# Altium PCB Home Automation.PcbDoc (continued)
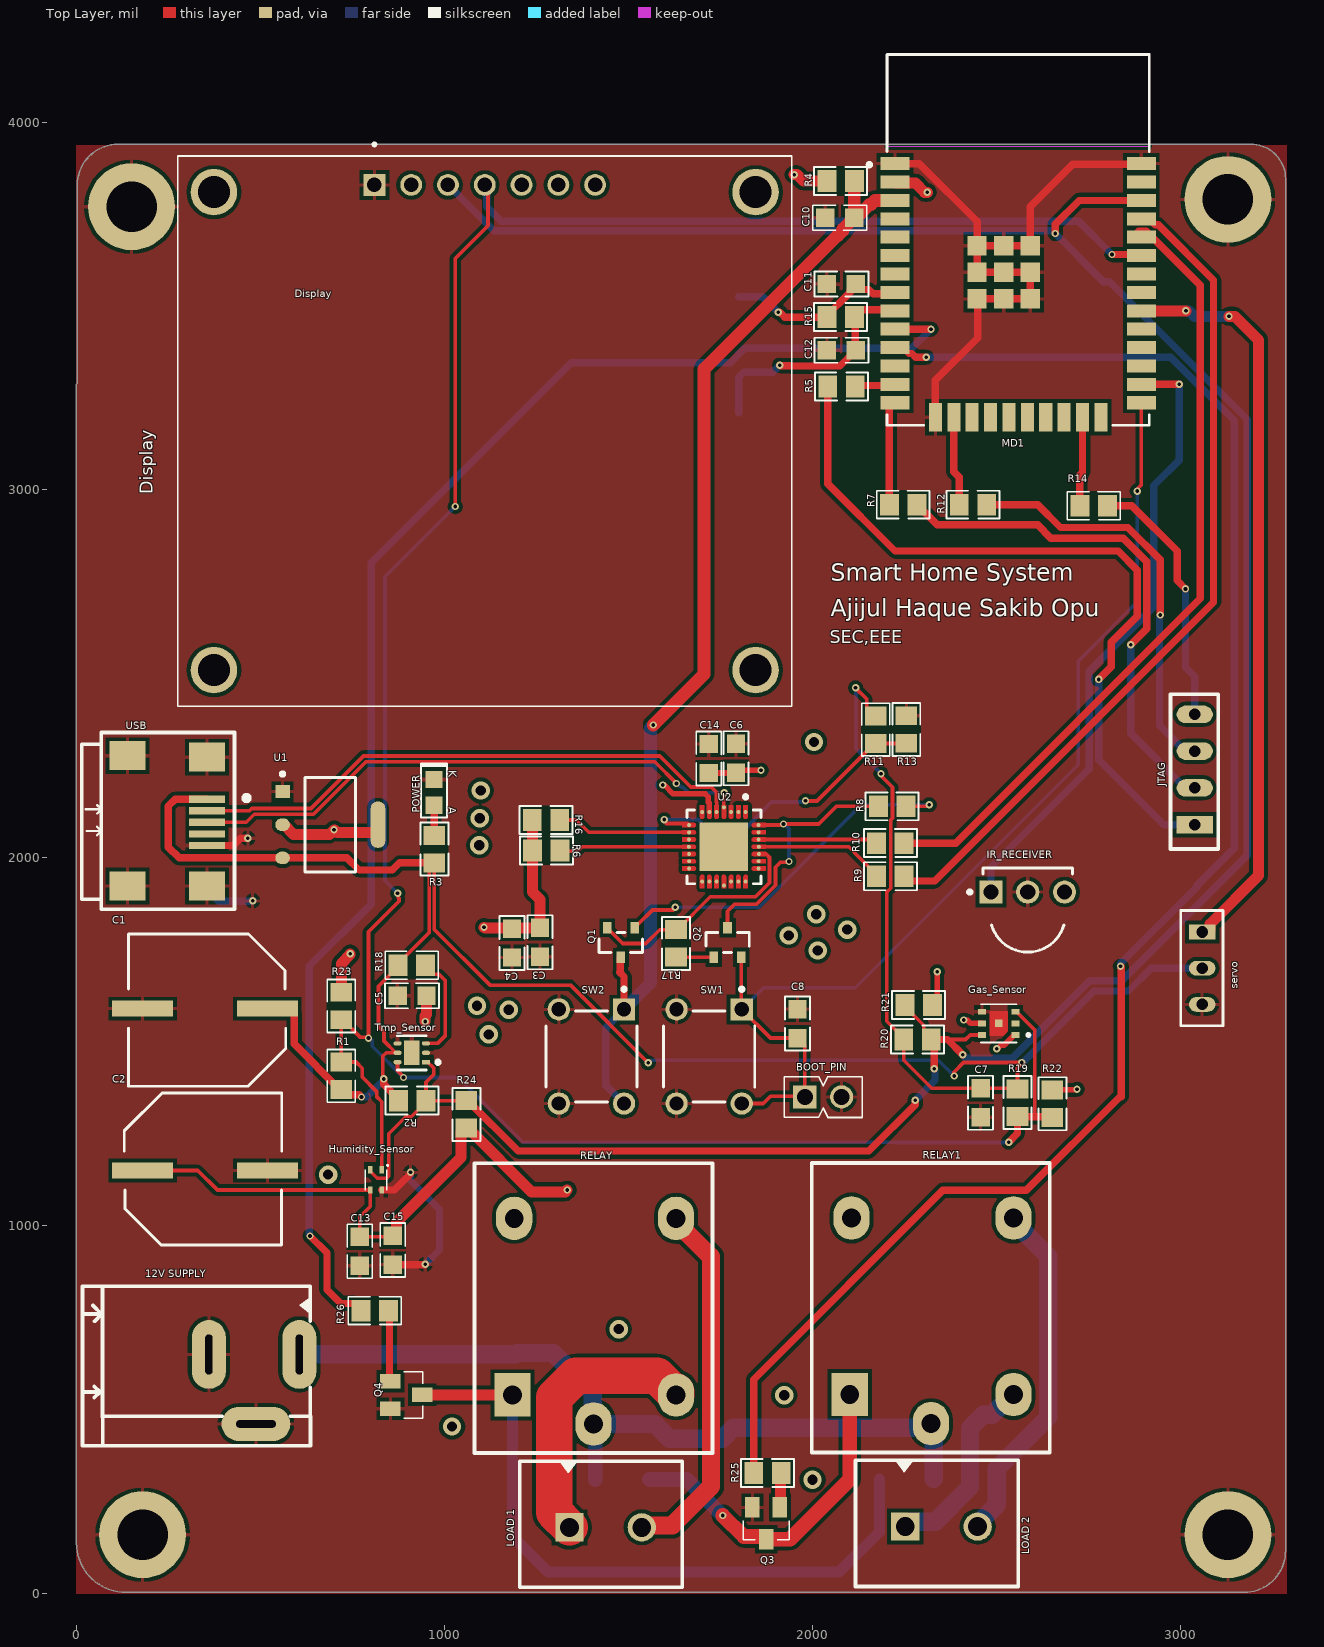
[diagram p0: Top Layer view]
## Footprints (in the part's own frame and the unit in brackets; to place one, negate y for a bottom-side part, rotate by r counter-clockwise, add the part's x,y. Pads: shape width x height; smd on the part's side, far side on the other; paste and mask are expansions set on the pad) (continued)
  Top Layer region: 0.15,2.875 0.15,2.075 0.139,2.018 0.106,1.969 0.057,1.936 0,1.925 0,1.925 -0.057,1.936 -0.106,1.969 -0.139,2.018 -0.15,2.075 -0.15,2.075 -0.15,2.875
  Top Layer region: 0.65,2.875 0.65,2.075 0.639,2.018 0.606,1.969 0.557,1.936 0.5,1.925 0.5,1.925 0.443,1.936 0.394,1.969 0.361,2.018 0.35,2.075 0.35,2.075 0.35,2.875
  Top Layer region: 1.15,2.875 1.15,2.075 1.139,2.018 1.106,1.969 1.057,1.936 1,1.925 1,1.925 0.943,1.936 0.894,1.969 0.861,2.018 0.85,2.075 0.85,2.075 0.85,2.875
  Top Layer region: 1.65,2.875 1.65,2.075 1.639,2.018 1.606,1.969 1.557,1.936 1.5,1.925 1.5,1.925 1.443,1.936 1.394,1.969 1.361,2.018 1.35,2.075 1.35,2.075 1.35,2.875
  Top Layer region: 2.875,1.35 2.075,1.35 2.018,1.361 1.969,1.394 1.936,1.443 1.925,1.5 1.925,1.5 1.936,1.557 1.969,1.606 2.018,1.639 2.075,1.65 2.075,1.65 2.875,1.65
  Top Layer region: 2.875,0.85 2.075,0.85 2.018,0.861 1.969,0.894 1.936,0.943 1.925,1 1.925,1 1.936,1.057 1.969,1.106 2.018,1.139 2.075,1.15 2.075,1.15 2.875,1.15
  Top Layer region: 2.875,0.35 2.075,0.35 2.018,0.361 1.969,0.394 1.936,0.443 1.925,0.5 1.925,0.5 1.936,0.557 1.969,0.606 2.018,0.639 2.075,0.65 2.075,0.65 2.875,0.65
  Top Layer region: 2.875,-0.15 2.075,-0.15 2.018,-0.139 1.969,-0.106 1.936,-0.057 1.925,0 1.925,0 1.936,0.057 1.969,0.106 2.018,0.139 2.075,0.15 2.075,0.15 2.875,0.15
  Top Layer region: 2.875,-0.65 2.075,-0.65 2.018,-0.639 1.969,-0.606 1.936,-0.557 1.925,-0.5 1.925,-0.5 1.936,-0.443 1.969,-0.394 2.018,-0.361 2.075,-0.35 2.075,-0.35 2.875,-0.35
  Top Layer region: 2.875,-1.15 2.075,-1.15 2.018,-1.139 1.969,-1.106 1.936,-1.057 1.925,-1 1.925,-1 1.936,-0.943 1.969,-0.894 2.018,-0.861 2.075,-0.85 2.075,-0.85 2.875,-0.85
  Top Layer region: 2.875,-1.65 2.075,-1.65 2.018,-1.639 1.969,-1.606 1.936,-1.557 1.925,-1.5 1.925,-1.5 1.936,-1.443 1.969,-1.394 2.018,-1.361 2.075,-1.35 2.075,-1.35 2.875,-1.35
  Top Layer region: 1.35,-2.875 1.35,-2.075 1.361,-2.018 1.394,-1.969 1.443,-1.936 1.5,-1.925 1.5,-1.925 1.557,-1.936 1.606,-1.969 1.639,-2.018 1.65,-2.075 1.65,-2.075 1.65,-2.875
  Top Layer region: 0.85,-2.875 0.85,-2.075 0.861,-2.018 0.894,-1.969 0.943,-1.936 1,-1.925 1,-1.925 1.057,-1.936 1.106,-1.969 1.139,-2.018 1.15,-2.075 1.15,-2.075 1.15,-2.875
  Top Layer region: 0.35,-2.875 0.35,-2.075 0.361,-2.018 0.394,-1.969 0.443,-1.936 0.5,-1.925 0.5,-1.925 0.557,-1.936 0.606,-1.969 0.639,-2.018 0.65,-2.075 0.65,-2.075 0.65,-2.875
  Top Layer region: -0.15,-2.875 -0.15,-2.075 -0.139,-2.018 -0.106,-1.969 -0.057,-1.936 0,-1.925 0,-1.925 0.057,-1.936 0.106,-1.969 0.139,-2.018 0.15,-2.075 0.15,-2.075 0.15,-2.875
  Top Layer region: -0.65,-2.875 -0.65,-2.075 -0.639,-2.018 -0.606,-1.969 -0.557,-1.936 -0.5,-1.925 -0.5,-1.925 -0.443,-1.936 -0.394,-1.969 -0.361,-2.018 -0.35,-2.075 -0.35,-2.075 -0.35,-2.875
  Top Layer region: -1.15,-2.875 -1.15,-2.075 -1.139,-2.018 -1.106,-1.969 -1.057,-1.936 -1,-1.925 -1,-1.925 -0.943,-1.936 -0.894,-1.969 -0.861,-2.018 -0.85,-2.075 -0.85,-2.075 -0.85,-2.875
  Top Layer region: -1.65,-2.875 -1.65,-2.075 -1.639,-2.018 -1.606,-1.969 -1.557,-1.936 -1.5,-1.925 -1.5,-1.925 -1.443,-1.936 -1.394,-1.969 -1.361,-2.018 -1.35,-2.075 -1.35,-2.075 -1.35,-2.875
  Top Layer region: -2.875,-1.35 -2.075,-1.35 -2.018,-1.361 -1.969,-1.394 -1.936,-1.443 -1.925,-1.5 -1.925,-1.5 -1.936,-1.557 -1.969,-1.606 -2.018,-1.639 -2.075,-1.65 -2.075,-1.65 -2.875,-1.65
  Top Layer region: -2.875,-0.85 -2.075,-0.85 -2.018,-0.861 -1.969,-0.894 -1.936,-0.943 -1.925,-1 -1.925,-1 -1.936,-1.057 -1.969,-1.106 -2.018,-1.139 -2.075,-1.15 -2.075,-1.15 -2.875,-1.15
  Top Layer region: -2.875,-0.35 -2.075,-0.35 -2.018,-0.361 -1.969,-0.394 -1.936,-0.443 -1.925,-0.5 -1.925,-0.5 -1.936,-0.557 -1.969,-0.606 -2.018,-0.639 -2.075,-0.65 -2.075,-0.65 -2.875,-0.65
  Top Layer region: -2.875,0.15 -2.075,0.15 -2.018,0.139 -1.969,0.106 -1.936,0.057 -1.925,0 -1.925,0 -1.936,-0.057 -1.969,-0.106 -2.018,-0.139 -2.075,-0.15 -2.075,-0.15 -2.875,-0.15
  Top Layer region: -2.875,0.65 -2.075,0.65 -2.018,0.639 -1.969,0.606 -1.936,0.557 -1.925,0.5 -1.925,0.5 -1.936,0.443 -1.969,0.394 -2.018,0.361 -2.075,0.35 -2.075,0.35 -2.875,0.35
  Top Layer region: -2.875,1.15 -2.075,1.15 -2.018,1.139 -1.969,1.106 -1.936,1.057 -1.925,1 -1.925,1 -1.936,0.943 -1.969,0.894 -2.018,0.861 -2.075,0.85 -2.075,0.85 -2.875,0.85
  Top Layer region: -2.875,1.65 -2.075,1.65 -2.018,1.639 -1.969,1.606 -1.936,1.557 -1.925,1.5 -1.925,1.5 -1.936,1.443 -1.969,1.394 -2.018,1.361 -2.075,1.35 -2.075,1.35 -2.875,1.35
  silkscreen extent -3.57,-2.55 2.55,2.55, body extent -2.98,-2.98 2.98,2.98, height 0.25
FP-DRV0006A-IPC_C [mm]
  rect 0.556x0.292 smd paste+0 mask+0: 1(-0.978,0.65)
  rrect100% 0.556x0.292 smd paste+0 mask+0: 2(-0.978,0) 3(-0.978,-0.65) 4(0.978,-0.65) 5(0.978,0) 6(0.978,0.65)
  rect 1.1x1.7 smd paste-1000 mask+0: 7(0,0)
  silkscreen extent -1.93,-1.17 1,1.17, body extent -1.36,-1.1 1.36,1.1, height 0.25
FP-ESP32-WROOM-32D-MFG [mm]
  rect 2x0.9 smd paste+0 mask+0: 1(-8.5,5.26) 2(-8.5,3.99) 3(-8.5,2.72) 4(-8.5,1.45) 5(-8.5,0.18) 6(-8.5,-1.09) 7(-8.5,-2.36) 8(-8.5,-3.63) 9(-8.5,-4.9) 10(-8.5,-6.17) 11(-8.5,-7.44) 12(-8.5,-8.71) 13(-8.5,-9.98) 14(-8.5,-11.25) 25(8.5,-11.25) 26(8.5,-9.98) 27(8.5,-8.71) 28(8.5,-7.44) 29(8.5,-6.17) 30(8.5,-4.9) 31(8.5,-3.63) 32(8.5,-2.36) 33(8.5,-1.09) 34(8.5,0.18) 35(8.5,1.45) 36(8.5,2.72) 37(8.5,3.99) 38(8.5,5.26)
  rect 0.9x2 smd paste+0 mask+0: 15(-5.715,-12.25) 16(-4.445,-12.25) 17(-3.175,-12.25) 18(-1.905,-12.25) 19(-0.635,-12.25) 20(0.635,-12.25) 21(1.905,-12.25) 22(3.175,-12.25) 23(4.445,-12.25) 24(5.715,-12.25)
  rect 1.33x1.33 smd paste+0 mask+0: 39(-2.835,-4.075) 39(-2.835,-2.24) 39(-2.835,-0.405) 39(-1,-4.075) 39(-1,-2.24) 39(-1,-0.405) 39(0.835,-4.075) 39(0.835,-2.24) 39(0.835,-0.405)
  Keep-Out Layer region: -9,6.45 9,6.45 9,12.75 -9,12.75
  Keep-Out Layer region: -9,6.45 9,6.45 9,12.75 -9,12.75
  silkscreen extent -10.4,-12.8 9.05,12.8, body extent -9.6,-13.35 9.6,12.9, height 0.25
FP-SS8050-G-MFG [mm]
  rect 0.8x0.6 smd paste+0 mask+0: 1(-1.01,0.95) 2(-1.01,-0.95) 3(1.01,0)
  silkscreen extent -0.7,-1.5 0.7,1.5, body extent -1.51,-1.6 1.51,1.6, height 0.25
LCD_AOM12864A0-1.54WW-ANO [mm]
  rect 1.508x1.508 hole 1: 1(-7.62,17)
  round 1.508 hole 1: 2(-5.08,17) 3(-2.54,17) 4(0,17) 5(2.54,17) 6(5.08,17) 7(7.62,17)
  round 3.216 hole 2.2: P1(-18.7,16.5) P2(18.7,16.5) P3(-18.7,-16.5) P4(18.7,-16.5)
  silkscreen extent -21.2,-19 21.2,19.89, body extent -21.2,-19 21.2,19, height 5.5
LED_0805 [mm] "LED"
  rect 1.2x1.2 smd mask+0.076: A(0.889,0) K(-0.889,0)
  silkscreen extent -1.99,-0.89 1.73,0.89, body extent -1.01,-0.62 1.01,0.63, height 1.1
MOUNTING [mm] "MH"
  round 6 hole 3.5: 1(0,0)
  silkscreen extent -3.3,-3.3 3.3,3.3, body extent -3,-2.75 3,2.75, height 4.24
RES_0805 [mm] "Resister"
  rect 1.3x1.5 smd mask+0.076: 1(0.95,0) 2(-0.95,0)
  silkscreen extent -1.83,-0.97 1.83,0.97, body extent -1,-0.63 1,0.62, height 0.5
RLY_JQC_3F_5VDC [mm] "CASE: TH"
  oval 3x2.5 hole 1.3: 1(0,0) 3(-14.2,5.692) 4(0,11.176) 5(-12.192,0)
  rect 3x2.5 hole 1.3: 2(-12.192,11.303)
  silkscreen extent -16.2,-2.51 3.8,13.92, body extent -15.7,-2.06 3.3,13.44, height 15.52
SHT4X [mm]
  rect 0.5x0.3 smd: 1(-0.7,0.4) 2(-0.7,-0.4) 3(0.7,-0.4) 4(0.7,0.4)
  silkscreen extent -1.05,-0.75 0.7,0.85, body extent -0.75,-0.75 0.75,0.75, height 0.54
"SOT 23-3" [mm] "Case: SOT23"
  rect 1.4x1 smd paste+0 mask+0.076: 1(1.1,-0.95) 2(1.1,0.95) 3(-1.1,0)
  silkscreen extent -1.12,-1.6 0.18,1.6, body extent -1.5,-1.5 1.5,1.5, height 1.3
XDCR_SGP41-D-R4 [mm]
  rect 0.55x0.4 smd: 1(-1.15,0.8) 2(-1.15,0) 3(-1.15,-0.8) 4(1.15,-0.8) 5(1.15,0) 6(1.15,0.8)
  rect 0.5x0.5 smd paste-1 mask+0: 7(0,0)
  Top Layer region: 0.625,-0.85 -0.625,-0.85 -0.625,0.55 -0.325,0.85 0.625,0.85
  silkscreen extent -2.15,-1.32 1.22,1.32, body extent -1.22,-1.22 1.22,1.22, height 0.95
XTAL_314_240X47_SMD [mm] "CASE: TH"
  rect 6.096x1.2 smd: 1(0,0) 2(8,0)
  silkscreen extent -3.29,-2.44 11.32,2.57, body extent -2.99,-2.27 10.9,2.41, height 3.05

## Part data
"12V SUPPLY": library part CON-PLG_3X1-228-DC_JACK, "3 Pins, 1 Row 228mil Pitch, right angle Connector, male", Alternate Part Number-1=NA, Case/Package=TH-CON, Manufacturer=JST, Manufacturer Part Number=PJ-002A, Supplier Part Number-1=NA, Supplier-1="SP ROAD"
BOOT_PIN: library part CON-BS-PLG_2X1-100-ST-TH, "2 Pins, 1 Row 2.54mm Pitch, Straight bergstrip, Male", Alternate Part Number-1=NA, Case/Package=TH-CON, Manufacturer=Samtec, Manufacturer Part Number=NA, Supplier Part Number-1=NA, Supplier-1="SP ROAD"
C1: library part CAP-P_10uF-400V-20%-RAD, "10µF 400V Aluminum Electrolytic Capacitors Radial, Can - SMD 10000 Hrs @ 105°C", Alternate Part Number-1=NA, Case/Package=Radial-SMD, Manufacturer=Nichicon, Manufacturer Part Number=ULV2G100MNL1GS, Supplier Part Number-1=ULV2G100MNL1GS, Supplier-1="SP ROAD"
C2: library part CAP-P_22uF-400V-20%-RAD, "22µF 400V Aluminum Electrolytic Capacitors Radial, Can - SMD 5000 Hrs @ 105°C", Alternate Part Number-1=NA, Case/Package=Radial-SMD, Manufacturer="Panasonic Electronic Components", Manufacturer Part Number=EEV-EB2G220M, Supplier Part Number-1=667-EEV-EB2G220M, Supplier-1=Mouser
C3: library part CAP_4.7uF-50V-10%-0805, "4.7µF ±10% 50V Ceramic Capacitor X5R 0805 (2012 Metric)", Alternate Part Number-1=NA, Case/Package=0805, Manufacturer=Yageo, Manufacturer Part Number=GRM21BR61H475KE51L, Supplier Part Number-1=CL21A475KBQNNNE, Supplier-1=SIRICOM
C4: library part CAP_0.1uF-50V-10%-0805, "0.1µF ±10% 50V Ceramic Capacitor X7R 0805 (2012 Metric)", Alternate Part Number-1=NA, Case/Package=0805, Manufacturer=Samsung, Manufacturer Part Number=CL21B104KBCNNNC, Supplier Part Number-1=0805B104K500CT, Supplier-1=SIRICOM
C5 C13 C14: library part CAP_100pF-100V-5%-0805, "100pF ±5% 100V Ceramic Capacitor C0G, NP0 0805 (2012 Metric)", Alternate Part Number-1=NA, Case/Package=0805, Manufacturer=Murata, Manufacturer Part Number=CL21C101JC61PNC, Supplier Part Number-1=0805N101J101CT, Supplier-1=SIRICOM
C6 C7 C8 C9 C10: library part CAP_0.1uF-50V-5%-0805, "0.1µF ±5% 50V Ceramic Capacitor X7R 0805 (2012 Metric)", Alternate Part Number-1=0805B104M500, Case/Package=0805, Manufacturer="AVX Corporation", Manufacturer Part Number=08055C104JAT4A, Supplier Part Number-1=0805B104J500CT, Supplier-1=SIRICOM
C11 C12: library part CAP_18pF-50V-5%-0805, "18pF ±5% 50V Ceramic Capacitor C0G, NP0 0805 (2012 Metric)", Alternate Part Number-1=NA, Case/Package=0805, Manufacturer=Yageo, Manufacturer Part Number=CL21C180JBANNNC, Supplier Part Number-1=NA, Supplier-1=NA
C15: library part CAP_1uF-50V-5%-0805, "1µF ±5% 50V Ceramic Capacitor X7R 0805 (2012 Metric)", Alternate Part Number-1=0805F105M500NT, Case/Package=0805, Manufacturer=Samsung, Manufacturer Part Number=CC0805JKX7R9BB105, Supplier Part Number-1=CL21B105KBFNNNE, Supplier-1=SIRICOM
D1 D2: library part DIO-Z_18V-500mW-SOD80, "Zener Diode 18V 500mW ±5% Surface Mount SOD-80 QuadroMELF", Alternate Part Number-1=NA, Case/Package=SOD80, Manufacturer="Vishay Semiconductors", Manufacturer Part Number=BZT55C18-GS08, Supplier Part Number-1=BZV55-C18, Supplier-1=SIRICOM
Display: "Non-Touch Graphic LCD Display Module - White OLED SPI 1.54 (39.12mm) 128 x 64", Package=None, Availability="In Stock", Check_prices=https://www.snapeda.com/parts/AOM12864A0-1.54WW-ANO/Orient+Display/view-part/?ref=eda, MF="Orient Display", MP=AOM12864A0-1.54WW-ANO, Price=None, Purchase-URL=https://pricing.snapeda.com/search/part/AOM12864A0-1.54WW-ANO/?ref=eda, SnapEDA_Link=https://www.snapeda.com/parts/AOM12864A0-1.54WW-ANO/Orient+Display/view-part/?ref=snap
Gas_Sensor: "Air Quality Sensor VOC and NOx Gas Sensor 3.3V 6-Pin DFN EP", Package=None, Availability="In Stock", Check_prices=https://www.snapeda.com/parts/SGP41-D-R4/Sensirion/view-part/?ref=eda, MF=Sensirion, MP=SGP41-D-R4, Price=None, Purchase-URL=https://pricing.snapeda.com/search/part/SGP41-D-R4/?ref=eda, SnapEDA_Link=https://www.snapeda.com/parts/SGP41-D-R4/Sensirion/view-part/?ref=snap
Humidity_Sensor: "Digital Relative Humidity Temperature Sensor, Â±1.0 %RH, Â±0.1 Â°C, Ultra-Low-Power", Package=None, Availability="In Stock", Check_prices=https://www.snapeda.com/parts/SHT45-AD1B-R2/Sensirion/view-part/?ref=eda, MF=Sensirion, MP=SHT45-AD1B-R2, Price=None, Purchase-URL=https://pricing.snapeda.com/search/part/SHT45-AD1B-R2/?ref=eda, SnapEDA_Link=https://www.snapeda.com/parts/SHT45-AD1B-R2/Sensirion/view-part/?ref=snap
IR_RECEIVER: library part CMP-02532-000001-1, "SENSOR REMOTE REC 38.0KHZ 45M", Ambient Temperature Range High=+85°C, Ambient Temperature Range Low=-25°C, Manufacturer=Vishay, Max Junction Temp=+100°C, Max Supply Voltage=5.5V, Min Supply Voltage=2.5V, Operating Supply Current=3mA, Output Current=5mA, Package=6.550-5169.01-4, Temperature="-25°C to +85°C", Automotive=No, Category=Diode, ComponentLink2Description=Datasheet, ComponentLink2URL=http://www.vishay.com/docs/82490/tsop321.pdf, Device Class L1=Sensors, Device Class L2="Optical Sensors", Device Class L3="Photoelectric Sensors", Digikey Description="SENSOR REMOTE REC 38.0KHZ 45M", Height=10.85mm, Lead Free=Yes, Manufacturer Part Number=TSOP34138, Mouser Description="38 kHz 45 m 2.5-5.5 V Through Hole IR Receiver Module for Remote Control System", Octopart=https://octopart.com/tsop34138-vishay-55433998, RoHS=TRUE, Sensing Distance=30m, Sensor Output=Other, Standoff Height=2.5mm, Temperature Range High=+85°C, Temperature Range Low=-25°C
JTAG: library part CON-BS-PLG_4X1-100-ST-TH, "4 Pins, 1 Row 2.54mm Pitch, Straight bergstrip, Male", Alternate Part Number-1=NA, Case/Package=TH-CON, Manufacturer=NA, Manufacturer Part Number=NA, Supplier Part Number-1=NA, Supplier-1="SP ROAD"
"LOAD 1" "LOAD 2": library part CON-TB_2X1-196-ST-TH, "2 Pins, 1 Row 5mm Pitch, straight Connector, male", Alternate Part Number-1=NA, Case/Package=TH-CON, Manufacturer="Phoenix Contact", Manufacturer Part Number=MKDSN1,5/2, Supplier Part Number-1=MKDSN1,5/2, Supplier-1="SP ROAD"
MD1: library part CMP-194065-000003-1, "WIFI MODULE 32MBITS SPI FLASH", Manufacturer="Espressif Systems", Max Frequency=2484MHz, Max Supply Voltage=3.6V, Min Supply Voltage=3V, Nominal Supply Current=500mA, Temperature="-40°C to +85°C", Temperature Range High=+85°C, Temperature Range Low=-40°C, Automotive=No, Bandwidth=72MHz, Category=UNK, ComponentLink2Description=Datasheet, ComponentLink2URL=https://www.espressif.com/sites/default/files/documentation/esp32-wroom-32d_esp32-wroom-32u_datasheet_en.pdf, Data Rate=150Mbits/s, Device Class L1="Integrated Circuits (ICs)", Device Class L2="RF Semiconductors and Devices", Device Class L3=Transceivers, Digikey Description="WIFI MODULE 32MBITS SPI FLASH", Height=3.2mm, Interface=I2C,SPI,UART,Ethernet,I2S,Other, Lead Free=Yes, Manufacturer Part Number=ESP32-WROOM-32D, Mouser Description="Wi-Fi/BT BLE Module ESP32-D0WD, SPI Flash, UART, P", Number Of Adc Channels=16, Number Of Gpio=32, Octopart=https://octopart.com/esp32-wroom-32d-espressif+systems-91040050, Package=ESP32-WROOM-32D, RoHS=TRUE, Sensitivity=-98dBm
MH1 MH2 MH3 MH4: library part MH_3.5H_6D, Alternate Part Number-1=NA, Case/Package=TH, Manufacturer=NA, Manufacturer Part Number=NA, Supplier Part Number-1=NA, Supplier-1=NA
POWER: library part LED_GREEN-2.2-20mA-0805, "Green 569nm LED Indication - Discrete 2.1V 0805 (2012 Metric)", Alternate Part Number-1=NA, Case/Package=0805, Manufacturer="Vishay Lite-On", Manufacturer Part Number=LTST-C171GKT, Supplier Part Number-1=LTST-C171GKT, Supplier-1="SP ROAD"
Q1 Q2: library part CMP-20235-000001-1, "NPN TRANSISTOR 1.5A 40V SOT-23 R", Case/Package=TO-236-3, Collector Emitter Breakdown Voltage=25V, Collector Emitter Voltage (VCEO)=400mV, Max Collector Current=1.5A, Max Power Dissipation=300mW, Transition Frequency=100MHz, Max Breakdown Voltage=25V, Mount="Surface Mount", Packaging="Tape and Reel", RoHS Compliant=Yes
Q3 Q4: library part TRNS-NPN_50V-0.8A-3SMD, "Bipolar (BJT) Transistor NPN 50V 800mA 500mW Surface Mount 3-SMD", Alternate Part Number-1=NA, Case/Package=SOT23-3, Manufacturer=Microsemi, Manufacturer Part Number=2N2222AUB, Supplier Part Number-1=2N2222AUB, Supplier-1=MOUSER
R1 R2 R18 R19 R20 R21 R22: library part RES_4.7K-0.125W-1%-0805, "4.7 kOhms ±1% 0.125W, 1/8W Chip Resistor 0805 (2012 Metric) Moisture Resistant Thick Film", Alternate Part Number-1=0805W8F4701T5E, Case/Package=0805, Manufacturer="TE Connectivity", Manufacturer Part Number=RC0805FR-074K7L, Supplier Part Number-1=WR08X4701FTL, Supplier-1=SIRICOM
R3 R25 R26: library part RES_1K-0.125W-1%-0805, "1 kOhms ±1% 0.125W, 1/8W Chip Resistor 0805 (2012 Metric) Moisture Resistant Thick Film", Alternate Part Number-1=WR08X1001FTL, Case/Package=0805, Manufacturer=Walsin, Supplier Part Number-1=RC0805JR-071KL, Manufacturer Part Number=WR08X1001FTL, Supplier-1="SP ROAD"
R4 R6 R8 R17 R23 R24: library part RES_10K-0.125W-1%-0805, "10 kOhms ±1% 0.125W, 1/8W Chip Resistor 0805 (2012 Metric) Automotive AEC-Q200 Thick Film", Alternate Part Number-1=WR08X1002FTL, Case/Package=0805, Manufacturer=CTS, Manufacturer Part Number=WR08X1002FTL, Supplier Part Number-1=WR08X1002FTL, Supplier-1=SIRICOM
R5 R7 R12 R14: library part RES_100R-0.125W-1%-0805, "100 Ohms ±1% 0.125W, 1/8W Chip Resistor 0805 (2012 Metric) Automotive AEC-Q200, Pulse Withstanding Thick Film", Alternate Part Number-1=WR08X1000FTL, Case/Package=0805, Manufacturer=Walsin, Manufacturer Part Number=WR08X1000FTL, Supplier Part Number-1=WR08X1000FTL, Supplier-1=SIRICOM
R9 R10: library part RES_470R-0.125W-1%-0805, "470 Ohms ±1% 0.125W, 1/8W Chip Resistor 0805 (2012 Metric) Automotive AEC-Q200 Thick Film", Alternate Part Number-1=NA, Case/Package=0805, Manufacturer=Walsin, Manufacturer Part Number=WR08X4700FTL, Supplier Part Number-1=WR08X4700FTL, Supplier-1=SIRICOM
R11 R13: library part RES_22K-0.125W-1%-0805, "22 kOhms ±1% 0.125W, 1/8W Chip Resistor 0805 (2012 Metric) Automotive AEC-Q200 Thick Film", Alternate Part Number-1=NA, Case/Package=0805, Manufacturer=Walsin, Manufacturer Part Number=WR08X2202FTL, Supplier Part Number-1=WR08X2202FTL, Supplier-1=SIRICOM
R15: library part RES_1M-0.125W-1%-0805, "1 MOhms ±1% 0.125W, 1/8W Chip Resistor 0805 (2012 Metric) Automotive AEC-Q200 Thick Film", Alternate Part Number-1=0805W8F1004T5E, Case/Package=0805, Manufacturer=Walsin, Manufacturer Part Number=WR08X1004FTL, Supplier Part Number-1=WR08X1004FTL, Supplier-1=SIRICOM
R16: library part RES_2K-0.125W-1%-0805, "2 kOhms ±1% 0.125W, 1/8W Chip Resistor 0805 (2012 Metric) Moisture Resistant Thick Film", Alternate Part Number-1=NA, Case/Package=0805, Manufacturer="TE Connectivity", Manufacturer Part Number=RC0805FR-072KL, Supplier Part Number-1=WR08X2001FTL, Supplier-1=SIRICOM
RELAY RELAY1: library part RLY2_5V-7.5A, "5V DC RELAY 2 CHANNEL", Alternate Part Number-1=NA, Case/Package=RLY_JQC-3F-5DC, Manufacturer="YUEQING HENGWEI ELECTRONICS", Manufacturer Part Number=JQC-3F-5VDC, Supplier Part Number-1=JQC-3F-5VDC, Supplier-1="SP ROAD"
servo: library part CON-BS-PLG_3X1-100-ST-TH, "3 Pins, 1 Row 2.54mm Pitch, Straight bergstrip, Male", Alternate Part Number-1=NA, Case/Package=TH-CON, Manufacturer Part Number=RKI-1140, Manufacturer=NA, Supplier Part Number-1=NA, Supplier-1="SP ROAD"
SW1 SW2: library part CMP-03407-000018-1, "SWITCH TACTILE SPST-NO 0.05A 24V", Actuator Color=Blue, Contact Current Rating=50mA, Contact Resistance=100mR, Max Operating Temperature=85°C, Max Voltage Rating (DC)=24V, Min Operating Temperature=-35°C, Operating Force=1.56N, Package Quantity=750, Actuator Length=3.4mm, Actuator Material=Nylon, Actuator Type=Standard, Contact Material=Brass, Contact Plating=Silver, Depth=5.99mm, Electrical Life=100000Cycles, Illumination Type=Non-Illuminated, Length=5.99mm, Max Current Rating=50mA, Mechanical Life=100000Cycles, Mount="Through Hole", Orientation=Straight, Packaging="Loose Piece", Radiation Hardening=No, RoHS Compliant=Yes, Series="FSMJ, Alcoswitch", Switch Function=Off-Mom, Switch Travel=0.25mm, Termination="PC Pins", Throw Configuration=SPST, Type=Switch, Voltage Rating (DC)=24V
Tmp_Sensor: library part CMP-04948-000045-1, "SENSOR DIGITAL -55C-125C 6WSON", Max Operating Temperature=150°C, Min Operating Temperature=-55°C, Interface=I2C, Mount="Surface Mount", Output Type=I2C, Packaging="Tape and Reel", Resolution=16b, RoHS Compliant=Yes
U1: library part CMP-209535-000001-1, "LDO Voltage Regulators 1A, 3.3V", Dropout Voltage=1.1V, Manufacturer="Advanced Monolithic Systems", Max Junction Temp=+125°C, Max Power Dissipation=1.2W, Max Supply Voltage=15V, Nominal Supply Current=5mA, Output Current=1A, Output Voltage=3.3V, Package=AMS1117, Temperature="-40°C to +125°C", Temperature Range Low=-40°C, Automotive=No, Category=IC, ComponentLink2Description=Datasheet, ComponentLink2URL=http://www.advanced-monolithic.com/pdf/ds1117.pdf, Device Class L1="Integrated Circuits (ICs)", Device Class L2="Power Management ICs", Device Class L3="Voltage Regulators - Linear", Height=1.8mm, Ipc Land Pattern Name=SOT229P700X180-4, Lead Free=Yes, Manufacturer Part Number=AMS1117-3.3, Number of Outputs=1, Octopart=https://octopart.com/ams1117-3.3-advanced+monolithic+systems-25899300, Output Type=Fixed, RoHS=TRUE, Standoff Height=0.64mm, Temperature Range High=+125°C
U2: library part CMP-08093-000004-1, "IC BRIDGE USB TO UART 28QFN", Ambient Temperature Range High=+85°C, Ambient Temperature Range Low=-40°C, Manufacturer="Silicon Labs", Max Junction Temp=+105°C, Max Supply Voltage=5.25V, Min Supply Voltage=1.71V, Nominal Supply Current=195-13700uA, Temperature="-40°C to +85°C", Automotive=No, Category=IC, ComponentLink2Description=Datasheet, ComponentLink2URL=https://media.digikey.com/pdf/Data%20Sheets/Silicon%20Laboratories%20PDFs/CP2102N_Rev.1.3_DS.pdf, Device Class L1="Integrated Circuits (ICs)", Device Class L2="Interface ICs", Device Class L3="USB Interface ICs", Digikey Description="IC BRIDGE USB TO UART 28QFN", Height=0.8mm, Interface=UART,USB,RS-232,RS-485, Ipc Land Pattern Name=QFN50P500X500X75-28, Lead Free=Yes, Manufacturer Part Number=CP2102N-A01-GQFN28, Mouser Description="IC BRIDGE USB TO UART 28QFN", Number Of Ports=1, Octopart=https://octopart.com/cp2102n-a01-gqfn28-silicon+labs-74636024, Package=CP2102N-A01-GQFN28, RoHS=TRUE, Standoff Height=0mm, Temperature Range High=+85°C, Temperature Range Low=-40°C, Usb Standard="USB 2.0"
USB: library part CON_USB2.0-MINIB-SMD, "USB - mini B USB 2.0 Receptacle Connector 5 Position Surface Mount, Right Angle", Alternate Part Number-1=NA, Case/Package=USB-MINI-B, Manufacturer=EDAC, Manufacturer Part Number=690-005-299-043, Supplier Part Number-1=C105424, Supplier-1=LCSC
X1: library part XTAL_8MHZ-ECS-80-32-5PX-SMD, "8MHz ±30ppm Crystal 32pF 60 Ohms HC-49/US", Alternate Part Number-1=NA, Case/Package=SMD/SMT, Manufacturer="Fox Electronics", Manufacturer Part Number=ECS-80-32-5PX-TR, Supplier Part Number-1=ECS-80-32-5PX-TR, Supplier-1="SP ROAD"

## Via types
v1: diameter 20, hole 10, Top Layer to Bottom Layer, 58 vias
v2: diameter 50, hole 28, Top Layer to Bottom Layer, 16 vias

## Nets (pads, with @x,y where several pads share a name; then routed paths per layer and width w, separated by ;. In a path a pad name is that pad's centre, name@x,y a point inside that pad or via, vN(x,y) a via of type N, cw(c..) or ccw(c..) an arc to the next point about the centre after c; other vN are vias at no path point)
3V3: C2.1 C3.2 C4.2 C5.2 C6.2 C13.2 C14.2 C15.2 Display.2 Gas_Sensor.1 Gas_Sensor.5 Humidity_Sensor.3 IR_RECEIVER.3 MD1.2 R4.2 R6.2 R16.1 R21.2 R22.2 R23.2 R24.2 U1.2 U1.4 U2.6 | length 3335.3
  Top Layer w10: C2.1 330,1150 383.12,1096.88 Humidity_Sensor.3 798.5,1052.5 770,1024 C13.2 857,970 C15.2
  Top Layer w15: v1(1594,2198) 1598,2198 1622,2174 1709.21,2174 1718,2165.21 1718,2151.13 1720.35,2148.78 1720.35,2124.77 U2.6 ; C14.2 1792.37,2230.63 C6.2 1799.74,2238 v1(1861,2238) ; R21.2 2340,1613.2 v1(2340,1690) ; v1(2412,1559) 2412.96,1558.04 2422.96,1558.04 2431,1550 Gas_Sensor.5 ; v1(2502,1481) 2503.35,1481 2512.35,1490 2520.82,1490 2549.32,1518.5 Gas_Sensor.1 ; R22.2 2718,1369 v1(2720,1371)
  Top Layer w30: U1.2 564.05,2090 590.05,2064 688,2064 v1(700,2076) 702,2076 709,2069 815.12,2069 819.72,2073.6 U1.4 ; R23.2 720,1713 744,1737 v1(744,1739) ; C15.2 870,983 870,1010 1045.47,1185.47 1045.47,1254.61 1056.06,1265.2 1063.94,1265.2 1069.57,1259.57 1237.13,1092 1329,1092 v1(1334,1097) ; v1(948,1555) 948,1570 952,1574 952,1624.74 C5.2 ; v1(1108,1811) 1110.13,1808.87 1258.87,1808.87 C3.2 1260,1887 1240,1907 R6.2 1239.5,2020.5 1239.5,2102.5 R16.1 ; v1(1951,3857) 1959,3857 1976,3840 R4.2 ; MD1.2 2228.07,3834.37 2280.63,3834.37 2306,3809 v1(2313,3809)
12V: "12V SUPPLY.1" D1.K D2.K RELAY1.3 RELAY.3 | length 2186.7
  Bottom Layer w40: RELAY.3 1410,456.85 D1.K
  Bottom Layer w50: 606,650 1193,650 1197,654 1296,654 1403,547 1403,463.85 RELAY.3 1572.17,460.94 1612.11,421 1756,421 1786,451 2312,451 RELAY1.3 2330.24,454.76 2330.24,312.39 D2.K
DTR: Q2.3 R8.1 U2.28 | length 752.8
  Top Layer w10: Q2.3 1770,1855 1789,1874 1848.63,1874 1900.19,1925.56 1900.19,1974.42 1913.86,1988.09 1935.09,1988.09 v1(1937,1990) ; U2.28 1916.35,2089.06 1919.29,2092 v1(1922,2092) 2018,2092 2066,2140 R8.1
  Bottom Layer w10: v1(1922,2092) 1924,2092 1937,2079 v1(1937,1990)
EN: C9.2 C10.1 MD1.3 Q1.3 R4.1 SW2.1 SW2.2 | length 3082.4
  Top Layer w20: Q1.3 1478.19,1728.43 1478.19,1690.19 1477,1689 1488.58,1677.42 SW2.1
  Top Layer w35: v1(1568,2361) 1706,2499 1706,3328.38 2069.12,3691.5 2070.21,3691.5 2083.97,3705.27 2083.97,3709.76 C10.1 2114.51,3740.3 2114.51,3839.7 R4.1 ; C10.1@2120,3740 2156,3776 2160,3776 2170.87,3786.87 2225.14,3786.87 MD1.3
  Bottom Layer w20: SW2.2 1438.74,1381.89 C9.2 1438.74,1538.11 SW2.1
  Bottom Layer w35: SW2.1 1560.5,1659.87 1560.5,2353.5 v1(1568,2361)
GND: "12V SUPPLY.2" "12V SUPPLY.3" BOOT_PIN.2 C1.2 C2.2 C3.1 C4.1 C5.1 C6.1 C7.1 C8.1 C9.1 C10.2 C11.2 C12.2 C13.1 C14.1 C15.1 Display.1 Gas_Sensor.2 Gas_Sensor.4 Gas_Sensor.7 Humidity_Sensor.4 IR_RECEIVER.2 MD1.1 MD1.15 MD1.38 MD1.39 MH1.1 MH2.1 MH3.1 MH4.1 POWER.K Q3.2 Q4.2 R13.1 servo.3 SW1.3 SW1.4 SW2.3 SW2.4 Tmp_Sensor.2 Tmp_Sensor.4 Tmp_Sensor.7 U1.1 U2.3 U2.29 USB.5 USB.6 | length 2511.8
  Top Layer w20: USB.5 426.5,2033.5 446,2053 v1(466,2053) ; Humidity_Sensor.4 863.88,1096.88 908,1141 v1(908,1145) ; C15.1 947.26,894.26 v1(948,895) ; MD1.1 2290.91,3887.09 2448.39,3729.61 MD1.39@2448.39,3664.06 ; MD1.15 2335,3298 2450,3413 2450,3517.95 2448.39,3519.57 2520.63,3519.57 2592.87,3519.57 2592.87,3591.81 2520.63,3591.81 2448.39,3591.81 MD1.39@2448.39,3664.06 ; MD1.38 2892.56,3885 2708,3885 2592.87,3769.87 2592.87,3664.06 2520.63,3664.06 MD1.39@2448.39,3664.06
  Bottom Layer w20: 348,1920 386,1882 478,1882 v1(479,1883) ; v1(908,1145) 908,1123 987,1044 987,934 v1(948,895)
IO0: BOOT_PIN.1 C8.2 MD1.25 Q2.2 SW1.1 SW1.2 | length 2920.3
  Top Layer w10: Q2.2 1807.4,1589.13 SW1.1 1886.54,1510 C8.2 1980,1490 BOOT_PIN.1 1978,1352 1887,1352 1867.05,1332.05 SW1.2 ; v1(2884,2997) 2884,3003 2894.65,3013.65 MD1.25
  Bottom Layer w10: SW1.1 1867.63,1647 2117,1647 2723,2253 2723,2535 2884,2696 v1(2884,2997)
IR: IR_RECEIVER.1 MD1.26 | length 1695.5
  Top Layer w20: MD1.26 2894.73,3287 v1(2998,3287)
  Bottom Layer w20: IR_RECEIVER.1 2486,1975 2753,2242 2753,2507 2929,2683 2929,3012 2998,3081 v1(2998,3287)
LOAD_1: MD1.10 R26.1 | length 4066.9
  Top Layer w20: v1(635,972) 681,926 681,826 718.48,788.52 758,788.52 773.6,772.93 R26.1 ; MD1.10 v1(2323.09,3437.09)
  Bottom Layer w20: v1(635,972) 635,974 633,976 633,1706 801,1874 801,2802 1345,3346 1778,3346 1817,3385 2271,3385 v1(2323.09,3437.09)
LOAD_2: MD1.11 R25.1 | length 4538.6
  Top Layer w20: R25.1 1841,582 2355.11,1096.11 2582.11,1096.11 2838,1352 ; MD1.11 2247.01,3387.09 2263.29,3370.8 2271.35,3370.8 2281.16,3361 v1(2310,3361) ; 2840,1351 v1@2840,1704
  Bottom Layer w20: v1(2310,3361) 2975,3361 3147,3189 3147,2026 3045,1924 3045,1920 2838,1713 v1(2838,1705)
MOTOR: MD1.30 servo.1 | length 2033.4
  Top Layer w30: MD1.30 2894.73,3487 v1(3016,3487) ; servo.1 3076,1798.43 3081,1803.43 3081,1819.43 3213,1951.43 3213,3408 3149,3472 v1(3133,3472)
  Bottom Layer w30: v1(3016,3487) 3024,3487 3039,3472 v1(3133,3472)
MTCK: MD1.16 R12.1 | length 243.9
  Top Layer w20: MD1.16 2385,3050 2400,3035 R12.1
MTDI: MD1.14 R7.1 | length 287.9
  Top Layer w20: R7.1 2210,3229.37 2217.72,3237.09 MD1.14
MTDO: MD1.23 R14.1 | length 244.4
  Top Layer w20: R14.1 2727,2958 2727,3040 2735,3048 MD1.23
MTMS: MD1.13 R5.1 | length 110.9
  Top Layer w20: R5.1 2120.04,3284.04 2222.31,3284.04 MD1.13
NetC11_1: C11.1 MD1.8 R15.2 X1.2 | length 502.6
  Top Layer w20: v1(1908,3483) 1912,3483 1925,3470 2036.06,3470 2103.74,3537.68 2103.74,3545 C11.1 2133.74,3545 2154,3545 2166,3533 2221.27,3533 MD1.8
  Bottom Layer w20: X1.2 1866.04,3524.96 v1(1908,3483)
NetC12_1: C12.1 MD1.9 R15.1 X1.1 | length 661.2
  Top Layer w20: v1(1912,3339) 1913,3338 1939,3338 1940,3337 2075.74,3337 C12.1 2116.77,3381.97 2116.77,3468.03 R15.1 2114.8,3473.94 2130.39,3489.53 2168.53,3489.53 2169,3490 2222.44,3490 MD1.9
  Bottom Layer w20: X1.1 1800,3306.38 1813.62,3320 1893,3320 v1(1912,3339)
NetD1_A: D1.A Q3.3 RELAY1.2 | length 914.2
  Top Layer w40: v1(1757,212) 1813.75,155.25 1874.68,155.25 1874.99,154.94 Q3.3 1939.69,147.69 2102.09,310.09 RELAY1.2
  Bottom Layer w40: D1.A 1659,310 v1(1757,212)
NetD2_A: D2.A Q4.3 RELAY.2 | length 1857.7
  Top Layer w30: Q4.3 RELAY.2
  Bottom Layer w30: RELAY.2 1185,155 1282,58 2073,58 2183,168 D2.A
NetJTAG_1: JTAG.1 R5.2 | length 2096.1
  Top Layer w20: R5.2 2042.2,3016.8 2225,2834 2832,2834 2884,2782 2884,2657 2813,2586 2813,2519 v1(2779,2485)
  Bottom Layer w20: v1(2779,2485) 2779,2267 2956,2090 JTAG.1
NetJTAG_2: JTAG.2 R7.2 | length 1412
  Top Layer w20: R7.2 2284.8,2956.06 2300.39,2940.47 2304.33,2940.47 2339.8,2905 2613,2905 2649,2869 2846,2869 2910,2805 2910,2623 v1(2866,2579)
  Bottom Layer w20: v1(2866,2579) 2866,2338.41 3014.41,2190 JTAG.2
NetJTAG_3: JTAG.3 R12.2 | length 1108.9
  Top Layer w20: R12.2 2613,2960 2675,2898 2858,2898 2946,2810 v1(2946,2660)
  Bottom Layer w20: v1(2946,2660) 2944,2658 2944,2360.41 3014.41,2290 JTAG.3
NetJTAG_4: JTAG.4 R14.2 | length 704
  Top Layer w20: R14.2 2869,2957 2992,2834 2992,2754 v1(3015,2731)
  Bottom Layer w20: v1(3015,2731) 3015,2518 3040,2493 JTAG.4
"NetLOAD 1_1": "LOAD 1.1" RELAY.5 | length 752.1
  Top Layer w100: 1340,180 1299,221 1299,533.42 1357.58,592 1578,592 1620.94,549.06 1629.21,549.06 1630,548.27 RELAY.5
"NetLOAD 1_2": "LOAD 1.2" RELAY.1 | length 1002.5
  Top Layer w50: 1536.85,180 1541.97,185.12 1619.12,185.12 1725,291 1725,915.16 1630,1010.16 RELAY.1
"NetLOAD 2_1": "LOAD 2.1" RELAY1.5 | length 536.5
  Bottom Layer w50: 2253,182 2266.39,195.39 2334.39,195.39 2429,290 2429,450 2465.59,486.59 2489.37,486.59 2543.83,541.06 RELAY1.5
"NetLOAD 2_2": "LOAD 2.2" RELAY1.1 | length 958
  Bottom Layer w50: 2449.85,182 2449.85,189.24 2502,241.39 2502,340 2642,480 2642,916.31 2547.09,1011.21 RELAY1.1
NetPOWER_A: POWER.A R3.1 | length 82.4
  Top Layer w20: POWER.A 972.5,2142.5 972.5,2061.5 R3.1
NetQ1_1: Q1.1 R8.2 | length 1007.5
  Top Layer w10: Q1.1 1517.4,1813.7 1524.21,1820.51 1528.15,1820.51 1565.64,1858 1622.14,1858 1628,1863.86 v1(1628,1866) ; R8.2 2311.29,2140 2315.29,2144 v1(2318,2144)
  Bottom Layer w10: v1(1628,1866) 1856,1866 2134,2144 v1(2318,2144)
NetQ2_1: Q2.1 R17.2 | length 102.7
  Top Layer w10: R17.2 1732.36,1730 Q2.1
NetQ3_1: Q3.1 R25.2 | length 95.1
  Top Layer w30: Q3.1 1914.1,236.01 1914.1,326.3 R25.2
NetQ4_1: Q4.1 R26.2 | length 193.7
  Top Layer w20: R26.2 850.89,766.5 850.89,579.9 Q4.1
NetR6_1: R6.1 U2.11 | length 355.9
  Top Layer w10: R6.1 1316.8,2018 1363,2018 1375,2030 U2.11
NetR9_1: R9.1 U2.25 | length 355.5
  Top Layer w10: U2.25 2099.11,2030 2130.11,1999 ; 2130.13,1999 2175.2,1953.94 R9.1
NetR10_1: R10.1 U2.26 | length 324.7
  Top Layer w10: U2.26 2165.51,2049.68 R10.1
NetR11_1: R11.1 R13.2 U2.8 | length 859.3
  Top Layer w11: v1(1598,2104) 1598,2101.56 1604.44,2095.12 1604.44,2093 1661.57,2093 U2.8 ; v1(1982,2155) 2013.06,2155 2169.06,2311 R11.1 2255.4,2311 R13.2
  Bottom Layer w11: v1(1598,2104) 1689,2104 1736,2057 1795,2057 1890,2152 1979,2152 v1(1982,2155)
NetR16_2: R16.2 U2.9 | length 365.6
  Top Layer w10: R16.2 1359,2103 1392.63,2069.37 U2.9
NetR18_1: R18.1 Tmp_Sensor.3 | length 284.8
  Top Layer w10: R18.1 948.8,1704.06 969.39,1683.47 985.53,1683.47 1003,1666 1003,1517 981.59,1495.59 Tmp_Sensor.3
RST: Q1.2 R17.1 U2.24 | length 631.8
  Top Layer w10: Q1.2 1442.6,1805.83 1449.41,1799.02 1453.35,1799.02 1485.36,1767 1547.67,1767 1585.47,1804.8 R17.1 1633.94,1804.8 1723.13,1894 1846,1894 1884.19,1932.19 1884.19,2001.09 1875.09,2010.19 1855.22,2010.19 U2.24
RXD: MD1.35 R9.2 | length 2301.2
  Top Layer w20: R9.2 2263,1937 2333,1937 3091,2695 3091,3570.45 2940.64,3720.8 2932.58,3720.8 2916.3,3737.09 MD1.35
SCL: Display.3 Gas_Sensor.6 Humidity_Sensor.2 MD1.36 R2.1 R20.1 R21.1 R24.1 Tmp_Sensor.1 | length 7326.8
  Top Layer w10: Humidity_Sensor.2 798.5,1148.06 817.57,1129 843.14,1129 849,1134.86 849,1250 895,1296 909.94,1296 950,1336.06 R2.1 ; Tmp_Sensor.1 955.19,1444.41 971,1428.6 971,1411 950,1390 R2.1 ; R24.1 R2.1 ; R21.1 2252,1596.06 2303.21,1544.85 2303.21,1526.59 R20.1 R20.1@2333,1506 ; 2368,1506 2417,1506 2429.5,1518.5 Gas_Sensor.6
  Top Layer w20: R24.1 1063.94,1340 1200.94,1203 2154,1203 2280,1329 v1(2280,1341) ; R20.1 2332,1497.8 v1(2332,1427) ; R20.1@2333,1506 2368,1506 v1(2409.49,1464.51) ; v1(2661,3697) 2661,3722 2726.09,3787.09 MD1.36
  Bottom Layer w20: Display.3 1134.99,3704.3 2653.7,3704.3 v1(2661,3697) 2791.72,3566.28 2808.28,3566.28 3183,3191.57 3183,2007 2842,1666 2755,1666 2544,1455 2419,1455 v1(2409.49,1464.51) ; v1(2280,1341) 2334,1395 2334,1425 v1(2332,1427)
SDA: Display.4 Gas_Sensor.3 Humidity_Sensor.1 MD1.33 R1.1 R19.1 R22.1 R23.1 Tmp_Sensor.6 | length 7359.5
  Top Layer w10: Humidity_Sensor.1 830,1337 816,1351 816,1365 777,1404 777,1428 760.2,1444.8 R1.1 R23.1 723.94,1560 772.02,1511.91 792.09,1511.91 v1(794,1510) 794,1799 876.86,1881.86 876.86,1890.14 874.91,1892.09 874.91,1902.09 v1(873,1904) ; Tmp_Sensor.6 872.99,1421.01 889,1405 v1(889,1403) ; v1(1030,2955) 1030,3629 1119,3718 1119,3820.29 Display.4 ; Gas_Sensor.3 2555.23,1581.5 2605.5,1531.22 2605.5,1295.7
  Top Layer w20: v1(2534,1227) 2558,1251 R19.1 2559.5,1295.7 2605.5,1295.7 2651.5,1295.7 R22.1 ; v1(2815,3640) 2891.73,3640 MD1.33
  Bottom Layer w10: v1(794,1510) 796.71,1510 802.56,1504.14 804,1504.14 804,1488 v1(889,1403) 1038,1403 1214,1227 2225,1227 2226,1226 2522,1226 2524.36,1228.36 2532.64,1228.36 v1(2534,1227) ; v1(873,1904) 839,1938 839,2764 v1(1030,2955)
  Bottom Layer w20: Display.4 1115.39,3823.9 1115.39,3769.61 1154.7,3730.3 2724.7,3730.3 v1(2815,3640)
TXD: MD1.34 R10.2 | length 2160.8
  Top Layer w20: R10.2 2390,2040 3055,2705 3055,3556.45 2908.08,3703.37 MD1.34@2887,3703.37
USBD_N: U2.5 USB.2 | length 1541.5
  Top Layer w10: USB.2 470.36,2127.99 476.54,2134.17 637.54,2134.17 780.37,2277 1585.7,2277 1670.2,2192.5 1725.66,2192.5 1740,2178.16 1740,2150.99 1740.32,2150.67 U2.5
USBD_P: U2.4 USB.3 | length 1549.1
  Top Layer w10: USB.3 461.5,2096.5 483.17,2118.17 644.17,2118.17 787,2261 1572,2261 v1(1631,2202) ; U2.4 1760,2176 v1(1761,2177)
  Bottom Layer w10: v1(1631,2202) 1633.71,2202 1643.71,2192 1649,2192 1664,2177 v1(1761,2177)
VBUS: C1.1 C7.2 R1.2 R2.2 R3.2 R11.2 R18.2 R19.2 R20.2 servo.2 Tmp_Sensor.5 U1.3 USB.1 | length 6412.1
  Top Layer w10: 833,1423 833,1461 842,1470 Tmp_Sensor.5@867.8,1470 ; 833.09,1420.91 833.09,1400.91 v1(835,1399) ; Tmp_Sensor.5 Tmp_Sensor.5@867.8,1470 ; v1(1554,1443) 1343,1654 1124,1654 973,1805 R3.2 959,1972.2 959,1796.94 874,1711.94 R18.2 874,1704.06 821,1651.06 821,1542 836,1527 836,1501.8 Tmp_Sensor.5@867.8,1470 ; v1(2118,2462) 2148.47,2431.53 2148.47,2406.39 2169.06,2385.8 R11.2 ; v1(2187,2229) 2188,2228 2188,2222.43 2218.21,2192.21 2218.21,2107.54 2213.41,2102.73 2213.41,1917.54 2203,1907.13 2203,1555.94 2249,1509.94 R20.2 2249,1450 2325.26,1373.74 C7.2 2556.26,1373.74 R19.2 2558,1429.52 2569.38,1440.91 v1(2569.38,1443.62) 2569.28,1443.51 2411.51,1443.51 2384.64,1416.64 2384.64,1408.36 v1(2386,1407)
  Top Layer w20: USB.1 268.49,2159.49 250,2141 250,2029 279.16,1999.84 U1.3 735.16,1999.84 768,1967 858.93,1967 878.13,1986.2 R3.2 ; C1.1 580.02,1590 591.68,1578.35 591.68,1494.39 716.06,1370 R1.2 734,1356 769,1356 v1(775,1350) ; v1(835,1399) 835,1384.13 875.2,1343.94 R2.2
  Bottom Layer w10: v1(1554,1443) 1556.71,1443 1563.71,1450 2343,1450 v1(2386,1407) ; v1(2118,2462) 2119,2461 2119,2297 v1(2187,2229)
  Bottom Layer w20: v1(775,1350) 789,1350 835,1396 v1(835,1399) ; v1(2569.38,1443.62) 2572.09,1443.62 2766.48,1638 2860,1638 2922,1700 servo.2
pads on no net: Display.5 Display.6 Display.7 Display.P1 Display.P2 Display.P3 Display.P4 JTAG. MD1.4 MD1.5 MD1.6 MD1.7 MD1.12 MD1.17 MD1.18 MD1.19 MD1.20 MD1.21 MD1.22 MD1.24 MD1.27 MD1.28 MD1.29 MD1.31 MD1.32 MD1.37 RELAY1.4 RELAY.4 servo. U2.1 U2.2 U2.7 U2.10 U2.12 U2.13 U2.14 U2.15 U2.16 U2.17 U2.18 U2.19 U2.20 U2.21 U2.22 U2.23 U2.27 USB.4
copper on no net:
  other v2: 2001,309 1021,454 1924,539 1474,719 684,1139 1121,1520 1175,1587 1089,1598 2015,1748 1936,1789 2095,1805 2011,1847 1095,2034 1096,2108 1099,2183 2005,2315

## Polygon pours and split planes (outlines as drawn)
GND on Bottom Layer "GND_L04_P001" (solid, remove dead copper, pour order 1): 0,0 3290,0 3290,3937.01 0,3937.01
GND on Top Layer "GND_L01_P000" (solid, remove dead copper, pour order 0): 0,0 3290,0 3290,3937.01 0,3937.01
3V3 on 3.3V_layer (split plane): 113,3919.9 3193,3919.9 3193.58,3919.96 3200.25,3919.63 3207.43,3918.57 3214.48,3916.8 3221.31,3914.36 3227.88,3911.25 3234.11,3907.52 3239.94,3903.19 3245.32,3898.32 3250.19,3892.94 3254.52,3887.11 3258.25,3880.88 3261.36,3874.31 3263.8,3867.48 3265.57,3860.43 3266.63,3853.25 3266.96,3846.58 3266.9,3846 3266.9,116 3266.96,115.4 3266.63,107.9 3265.58,99.85 3263.82,91.93 3261.38,84.2 3258.28,76.7 3254.53,69.51 3250.17,62.66 3245.23,56.23 3239.75,50.25 3233.77,44.77 3227.34,39.83 3220.49,35.47 3213.3,31.72 3205.8,28.62 3198.07,26.18 3190.15,24.42 3182.1,23.37 3174.6,23.04 3174,23.1 134,23.1 133.39,23.04 125.06,23.36 116.17,24.42 107.39,26.16 98.78,28.59 90.38,31.69 82.25,35.44 74.44,39.81 67,44.78 59.97,50.32 53.4,56.4 47.32,62.97 41.78,70 36.81,77.44 32.44,85.25 28.69,93.38 25.59,101.78 23.16,110.39 21.42,119.17 20.36,128.06 20.04,136.39 20.1,137 20.1,3281.43 20.57,3282.31 21.71,3286.08 22.1,3290 22.1,3829 22.04,3829.59 22.36,3836.93 23.4,3844.8 25.11,3852.55 27.5,3860.12 30.54,3867.45 34.2,3874.49 38.47,3881.19 43.3,3887.48 48.66,3893.34 54.51,3898.7 60.81,3903.53 67.51,3907.8 74.55,3911.46 81.88,3914.5 89.45,3916.89 97.2,3918.6 105.07,3919.64 112.41,3919.96
GND on GND_layer (split plane): 113,3919.9 3193,3919.9 3193.58,3919.96 3200.25,3919.63 3207.43,3918.57 3214.48,3916.8 3221.31,3914.36 3227.88,3911.25 3234.11,3907.52 3239.94,3903.19 3245.32,3898.32 3250.19,3892.94 3254.52,3887.11 3258.25,3880.88 3261.36,3874.31 3263.8,3867.48 3265.57,3860.43 3266.63,3853.25 3266.96,3846.58 3266.9,3846 3266.9,116 3266.96,115.4 3266.63,107.9 3265.58,99.85 3263.82,91.93 3261.38,84.2 3258.28,76.7 3254.53,69.51 3250.17,62.66 3245.23,56.23 3239.75,50.25 3233.77,44.77 3227.34,39.83 3220.49,35.47 3213.3,31.72 3205.8,28.62 3198.07,26.18 3190.15,24.42 3182.1,23.37 3174.6,23.04 3174,23.1 134,23.1 133.39,23.04 125.06,23.36 116.17,24.42 107.39,26.16 98.78,28.59 90.38,31.69 82.25,35.44 74.44,39.81 67,44.78 59.97,50.32 53.4,56.4 47.32,62.97 41.78,70 36.81,77.44 32.44,85.25 28.69,93.38 25.59,101.78 23.16,110.39 21.42,119.17 20.36,128.06 20.04,136.39 20.1,137 20.1,3281.43 20.57,3282.31 21.71,3286.08 22.1,3290 22.1,3829 22.04,3829.59 22.36,3836.93 23.4,3844.8 25.11,3852.55 27.5,3860.12 30.54,3867.45 34.2,3874.49 38.47,3881.19 43.3,3887.48 48.66,3893.34 54.51,3898.7 60.81,3903.53 67.51,3907.8 74.55,3911.46 81.88,3914.5 89.45,3916.89 97.2,3918.6 105.07,3919.64 112.41,3919.96

## Silkscreen, mask and mechanical layers (free items; w line width, h text height)
Top Overlay:
  text "Display" at 219.73,2988 h60 r90
  text "Smart Home System" at 2050,2737.32 h80
  text "Ajijul Haque Sakib Opu" at 2050,2640.69 h80
  text "SEC,EEE" at 2048,2571.55 h60
Mechanical 1:
  the board outline again, w10

## Text inside footprints (layer, text, board x,y; h text height)
POWER: Top Overlay "K" at 1012,2238 h22 r270; Top Overlay "A" at 1012,2138 h20 r270